# Allegro board arena_12-12_v5.brd
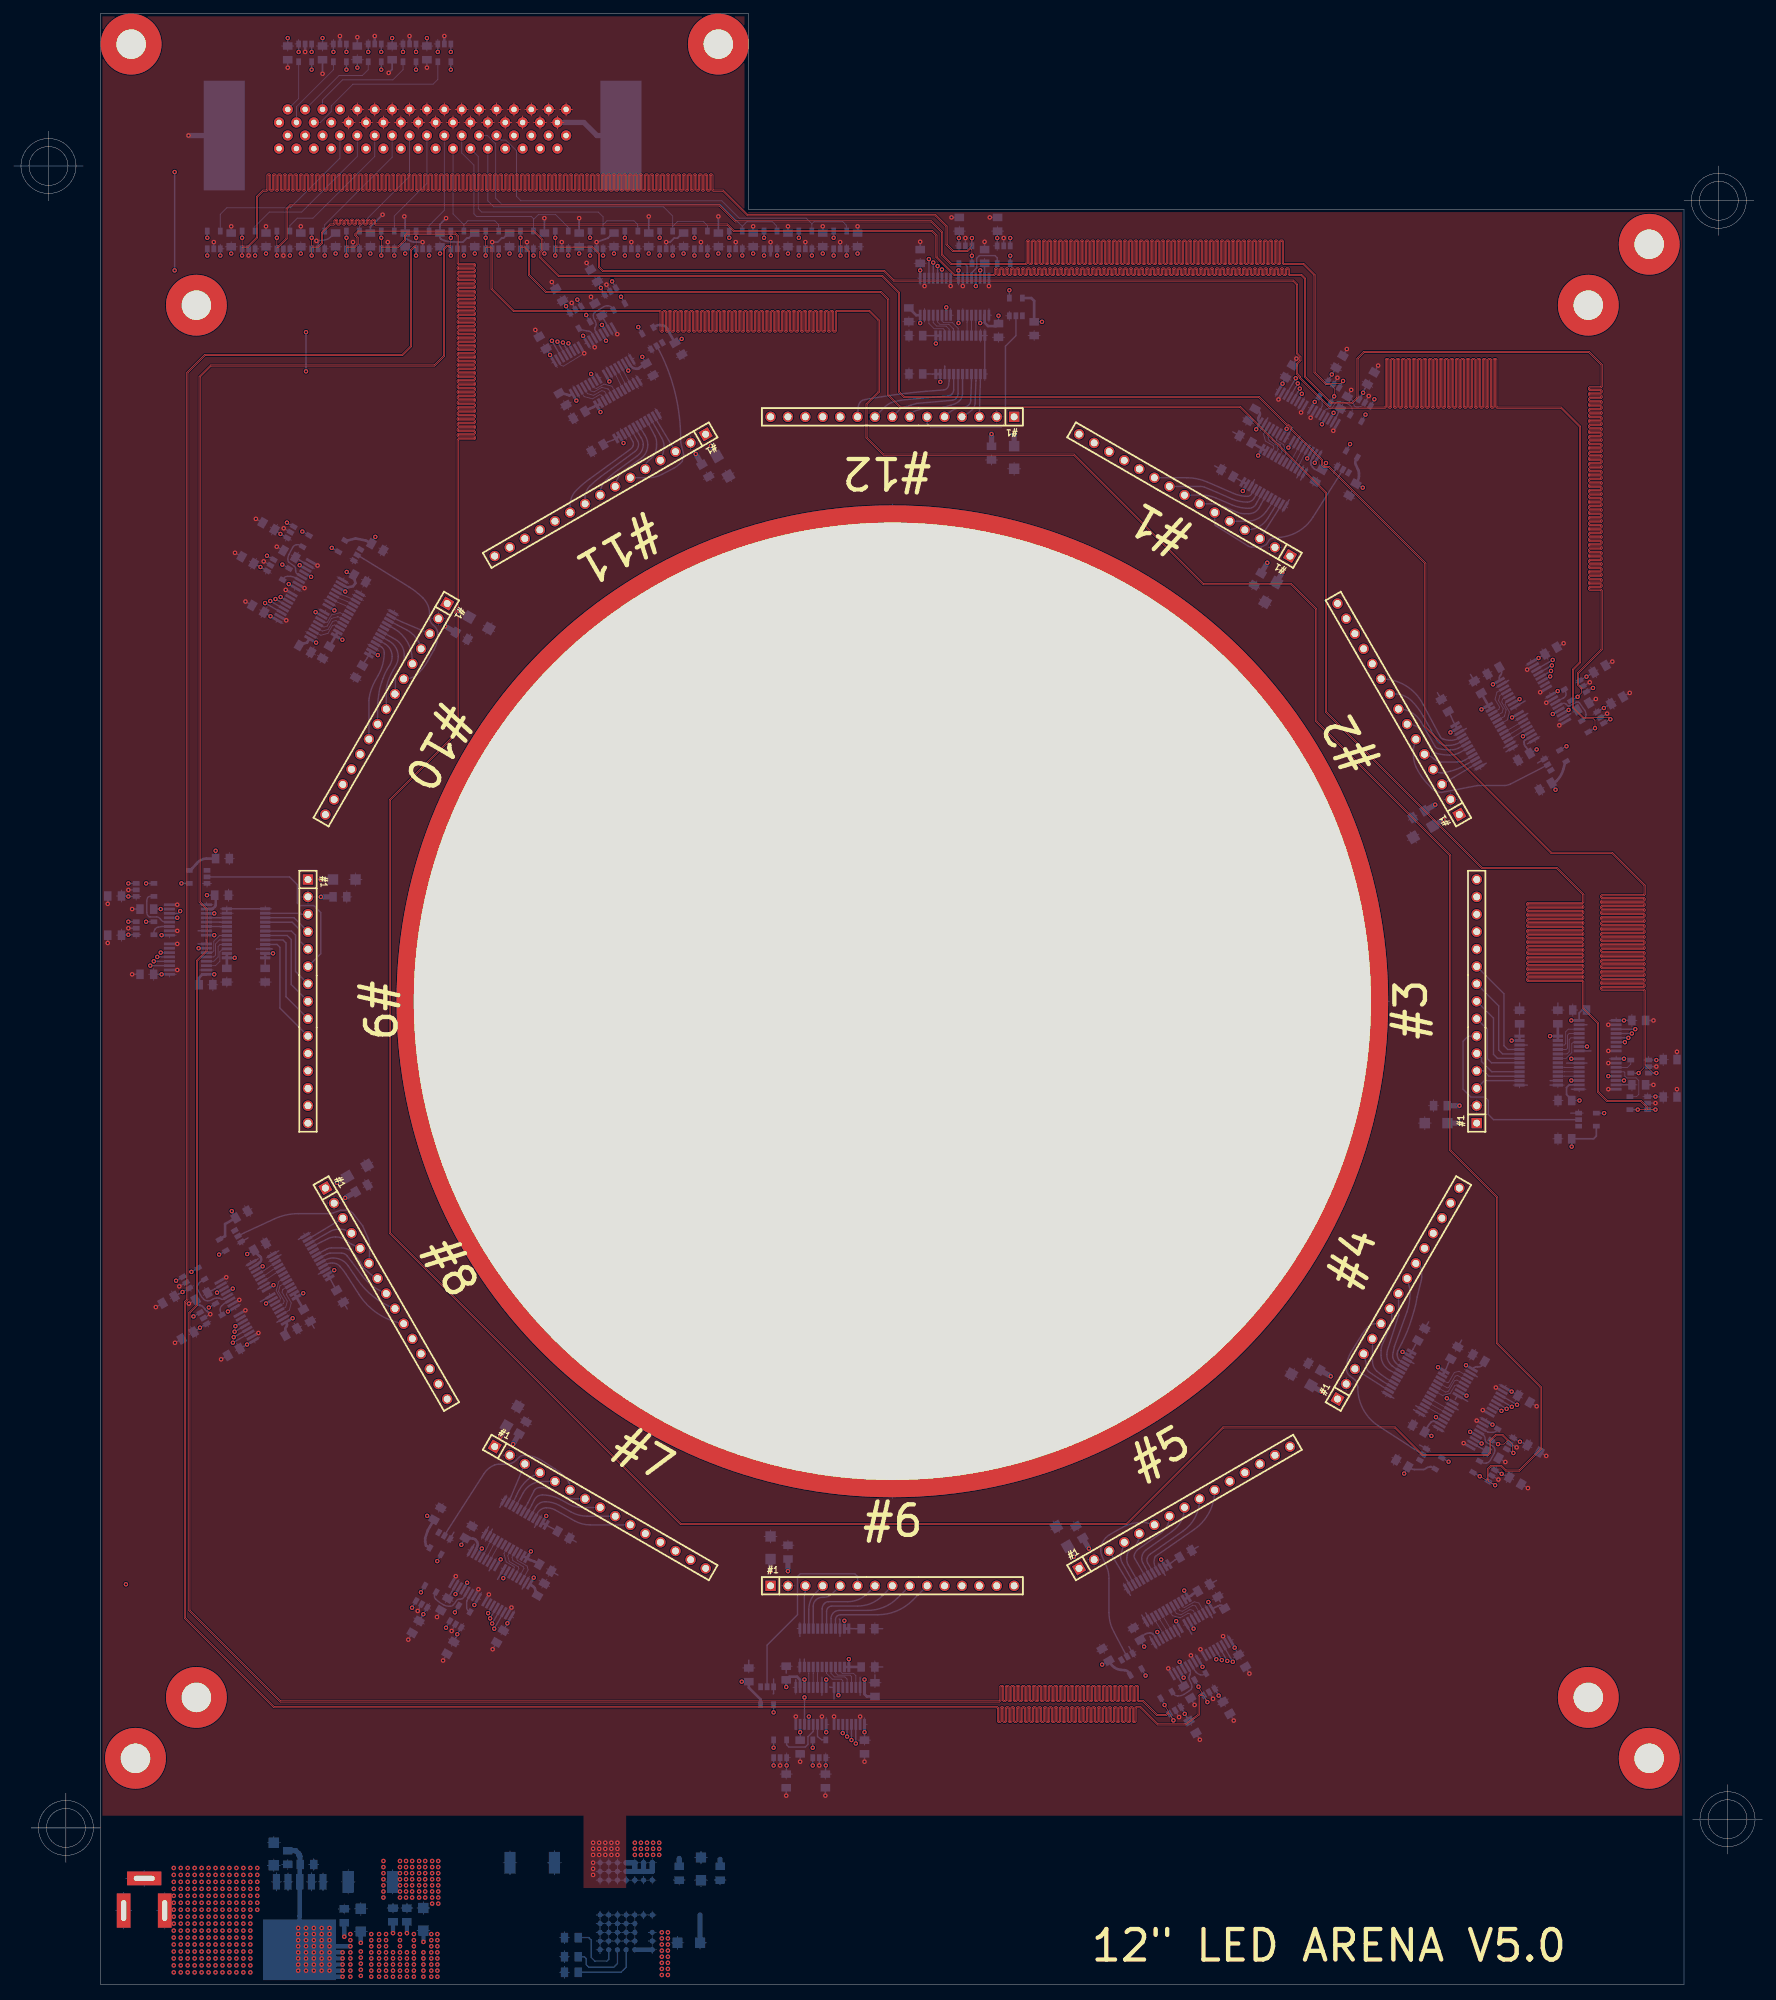
[diagram p0: board, top side]
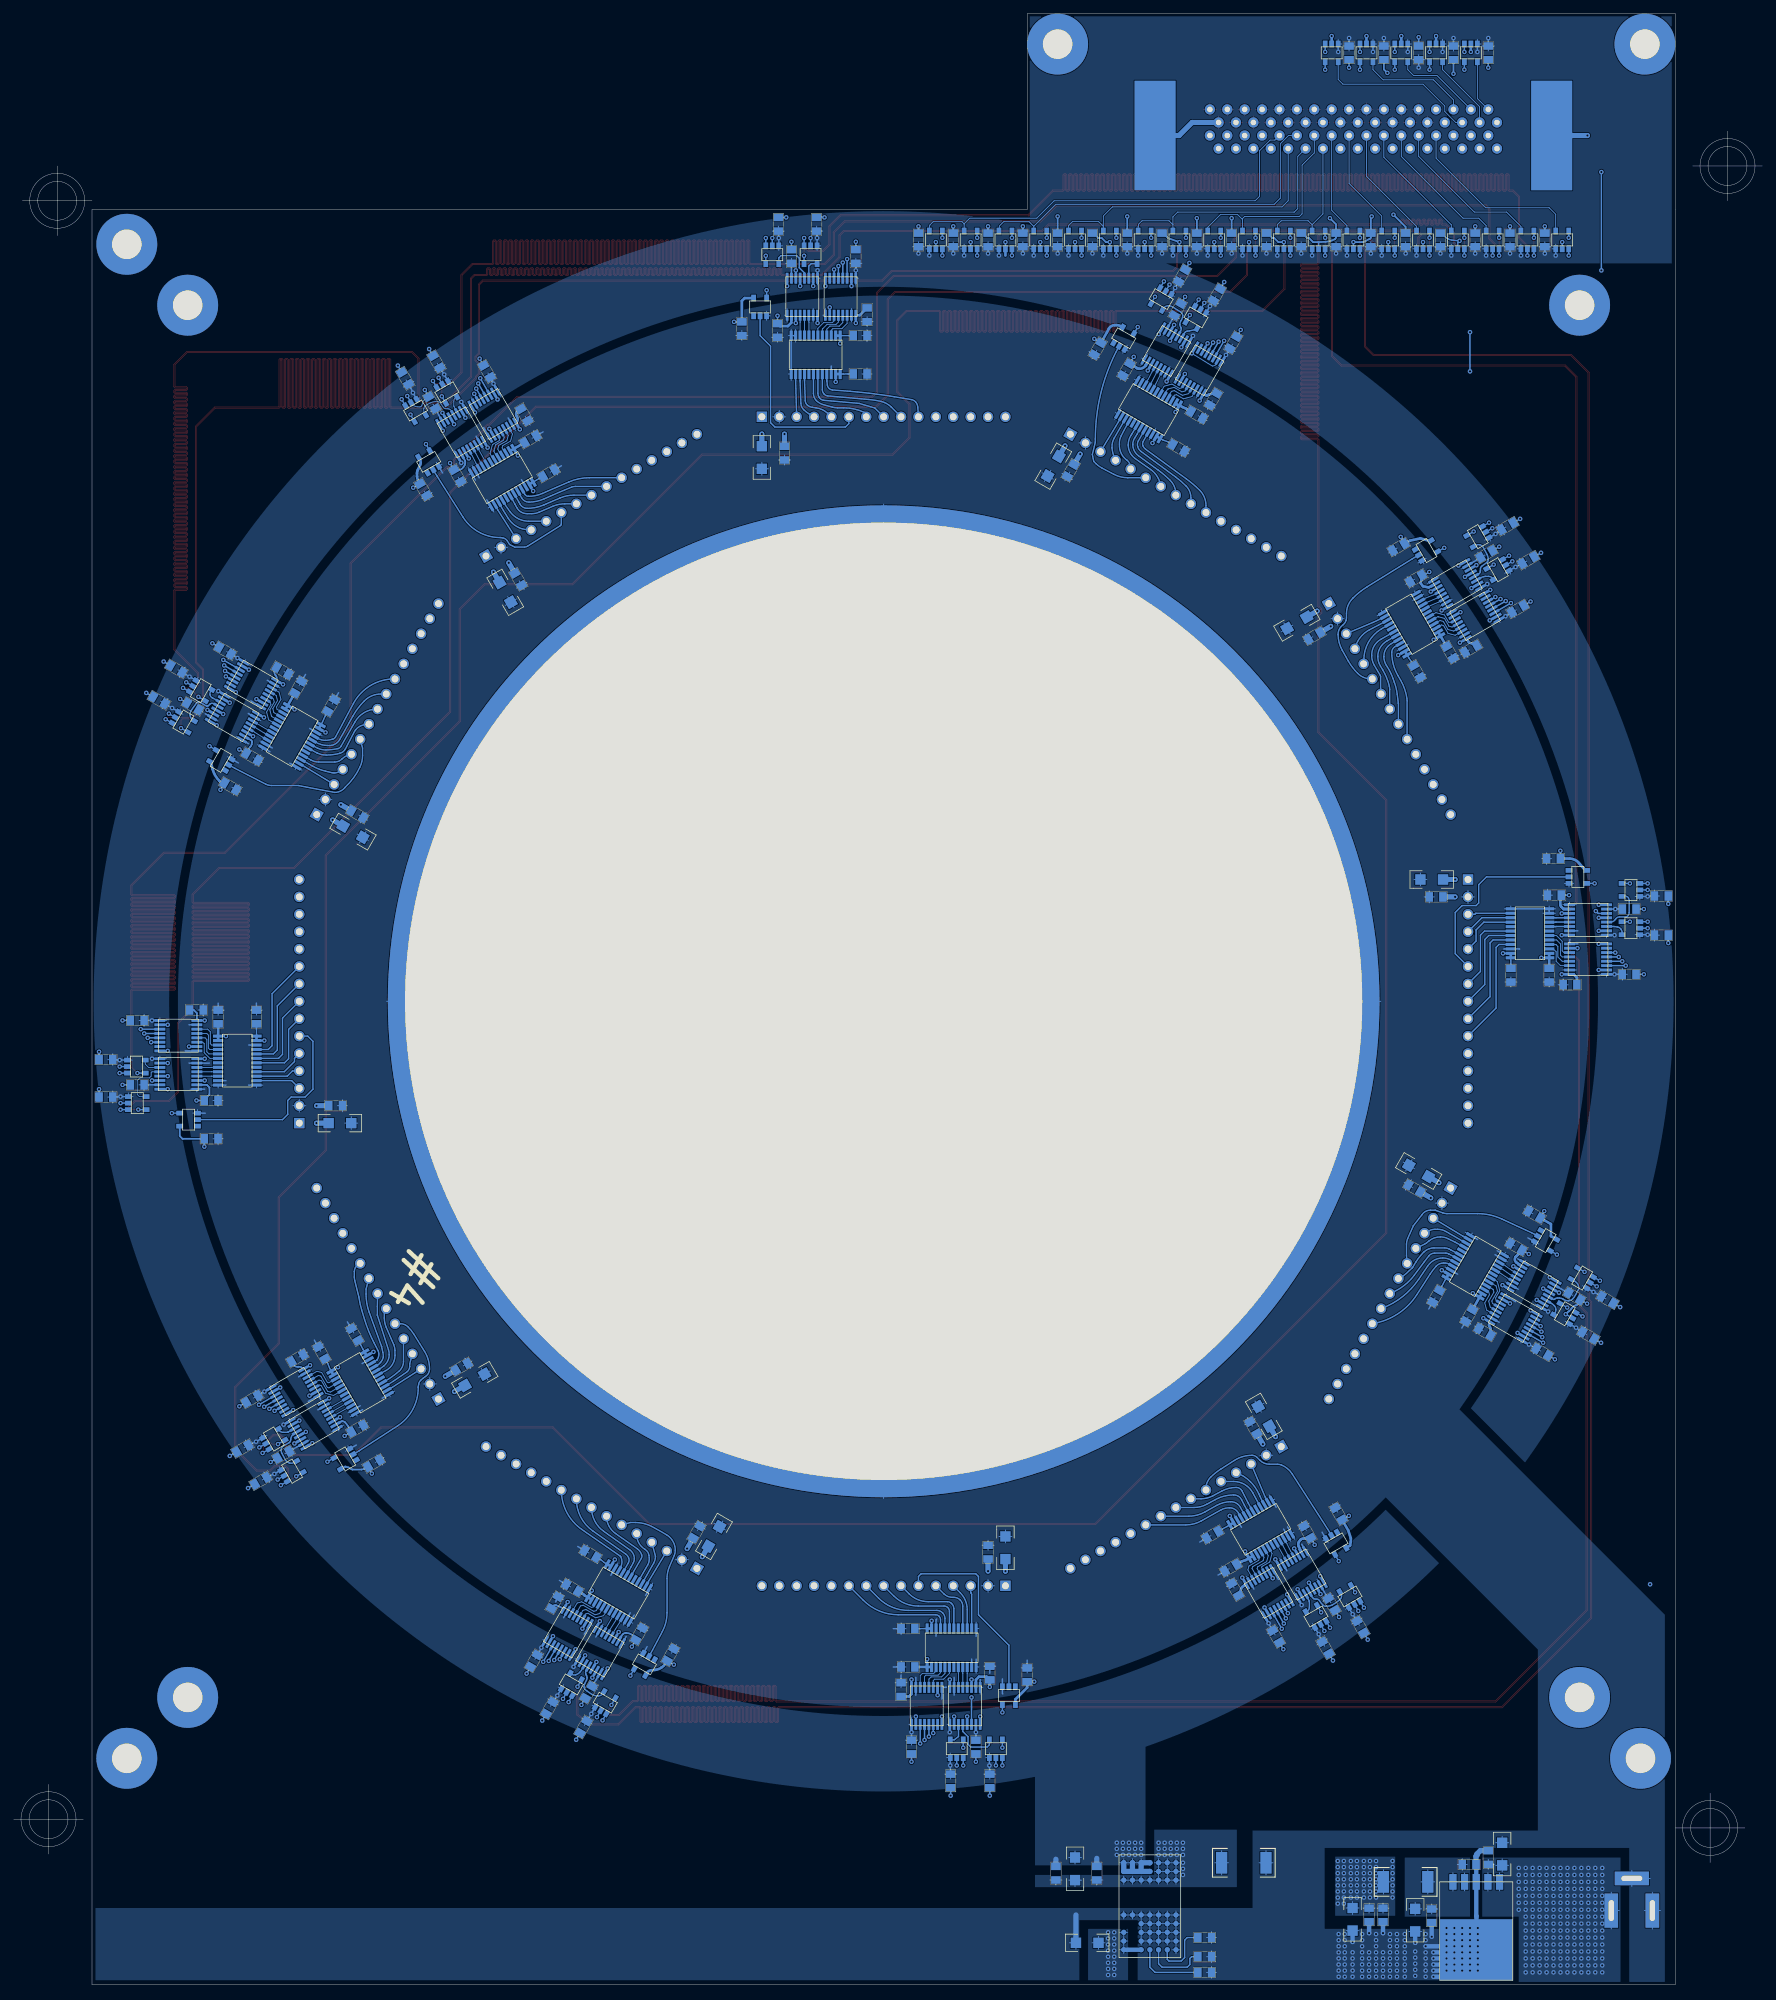
[diagram p1: board, bottom side, seen from below]

Outline 255.27 x 287.65 mm; copper layers: TOP, PWR, LAYER 1, GND2, LAYER 2, BOTTOM. Coordinates in mm from the lower left corner of the outline.
Outline path: circle c5.08,265.43 r2.84 ; circle c5.08,265.43 r4.02 ; circle c7.62,22.86 r2.84 ; circle c7.62,22.86 r4.02 ; circle c128.27,143.51 r69.85 ; circle c248.92,260.35 r2.84 ; circle c248.92,260.35 r4.02 ; circle c250.19,24.13 r2.84 ; circle c250.19,24.13 r4.02 ; 0,265.43 10.16,265.43 ; 2.54,22.86 12.7,22.86 ; 5.08,270.51 5.08,260.35 ; 7.62,27.94 7.62,17.78 ; 125.98,143.51 130.56,143.51 ; 128.27,141.22 128.27,145.8 ; 243.84,260.35 254,260.35 ; 245.11,24.13 255.27,24.13 ; 248.92,265.43 248.92,255.27 ; 250.19,29.21 250.19,19.05 ; 12.7,287.65 107.32,287.65 107.32,259.08 243.84,259.08 243.84,0 12.7,0 12.7,287.65

## Design rules (mm)
constraint set DEFAULT: min track width 0.127, pair gap 0.089
net group SPI: nets M0_N M0_P M1_N M1_P M2_N M2_P M3_N M3_P M4_N M4_P M5_N M5_P M6_N M6_P M7_N M7_P M8_N M8_P M9_N M9_P M10_N M10_P M11_N M11_P S0_N S0_P S1_N S1_P S2_N S2_P S3_N S3_P S4_N S4_P S5_N S5_P S6_N S6_P S7_N S7_P S8_N S8_P S9_N S9_P S10_N S10_P S11_N S11_P

## Placement (name value [footprint] x y rotation side)
C1  10uF  [1206]  103.51 221.62 300 bottom
C6  0.1uF  [EIA0805]  100.97 220.98 300 bottom
C39  1uF/6.3/Elec  [1206]  98.55 6.1 0 bottom
C42  2.2uF/60/Elec  [1206]  100.33 16.89 270 bottom
C43  0.01uF/X5R  [EIA0805]  103.12 16.26 270 bottom
C44  0.1uF/X5R  [EIA0805]  97.16 16.26 270 bottom
C45  10uF  [1206]  48.26 161.29 0 bottom
C46  0.1uF  [EIA0805]  47.63 158.75 0 bottom
C47  10uF  [1206]  50.17 118.74 30 bottom
C48  0.1uF  [EIA0805]  155.58 66.04 120 bottom
C49  10uF  [1206]  207.65 125.73 180 bottom
C50  0.1uF  [EIA0805]  189.87 90.17 150 bottom
C51  10uF  [1206]  153.04 65.4 120 bottom
C52  0.1uF  [EIA0805]  181.61 205.1 240 bottom
C53  10uF  [1206]  205.74 168.27 210 bottom
C54  0.1uF  [EIA0805]  142.75 223.52 270 bottom
C55  10uF  [1206]  146.05 222.88 270 bottom
C56  0.1uF  [EIA0805]  65.41 196.85 330 bottom
C57  10uF  [1206]  183.52 203.2 240 bottom
C58  0.1uF  [EIA0805]  74.3 81.28 60 bottom
C59  10uF  [1206]  72.77 82.93 60 bottom
C60  0.1uF  [EIA0805]  50.8 116.2 30 bottom
C61  10uF  [1206]  67.95 198.75 330 bottom
C62  0.1uF  [EIA0805]  113.03 63.12 90 bottom
C63  10uF  [1206]  187.96 88.26 150 bottom
C64  0.1uF  [EIA0805]  205.11 170.81 210 bottom
C65  10uF  [1206]  110.49 63.75 90 bottom
C66  0.1uF  [EIA0805]  208.28 128.27 180 bottom
C67  0.1uF  [EIA0805]  70.99 50.8 240 bottom
C68  0.1uF  [EIA0805]  180.72 229.11 240 bottom
C69  0.1uF  [EIA0805]  220.47 85.47 330 bottom
C70  0.1uF  [EIA0805]  226.44 129.03 180 bottom
C71  0.1uF  [EIA0805]  186.18 235.46 60 bottom
C72  0.1uF  [EIA0805]  50.55 205.23 330 bottom
C73  0.1uF  [EIA0805]  62.87 55.5 240 bottom
C74  0.1uF  [EIA0805]  130.68 243.71 270 bottom
C75  0.1uF  [EIA0805]  32.13 92.33 210 bottom
C76  0.1uF  [EIA0805]  35.94 107.7 30 bottom
C77  0.1uF  [EIA0805]  237.24 140.72 0 bottom
C78  0.1uF  [EIA0805]  40.51 95.25 30 bottom
C79  0.1uF  [EIA0805]  114.81 34.67 270 bottom
C80  0.1uF  [EIA0805]  66.42 66.04 60 bottom
C81  0.1uF  [EIA0805]  171.32 42.67 300 bottom
C82  0.1uF  [EIA0805]  42.55 194.94 330 bottom
C83  0.1uF  [EIA0805]  85.34 244.47 120 bottom
C84  0.1uF  [EIA0805]  205.11 81.15 150 bottom
C85  0.1uF  [EIA0805]  19.43 156.97 180 bottom
C86  0.1uF  [EIA0805]  228.6 142.24 180 bottom
C87  0.1uF  [EIA0805]  35.69 200.79 150 bottom
C88  0.1uF  [EIA0805]  80.14 231.39 300 bottom
C89  0.1uF  [EIA0805]  124.21 34.67 270 bottom
C90  0.1uF  [EIA0805]  143.76 241.43 270 bottom
C91  0.1uF  [EIA0805]  215.9 77.34 330 bottom
C92  0.1uF  [EIA0805]  92.84 235.71 300 bottom
C93  0.1uF  [EIA0805]  27.43 100.46 210 bottom
C94  0.1uF  [EIA0805]  28.07 145.92 0 bottom
C95  0.1uF  [EIA0805]  237.24 131.32 0 bottom
C96  0.1uF  [EIA0805]  30.35 159 0 bottom
C97  0.1uF  [EIA0805]  229.11 186.56 30 bottom
C98  0.1uF  [EIA0805]  125.73 43.05 90 bottom
C99  0.1uF  [EIA0805]  179.32 47.24 300 bottom
C100  0.1uF  [EIA0805]  190.5 220.22 240 bottom
C101  0.1uF  [EIA0805]  77.22 239.65 120 bottom
C102  0.1uF  [EIA0805]  220.47 179.2 210 bottom
C103  0.1uF  [EIA0805]  40.26 208.79 150 bottom
C104  0.1uF  [EIA0805]  216.03 191.77 210 bottom
C105  0.1uF  [EIA0805]  19.43 147.45 180 bottom
C106  0.1uF  [EIA0805]  213.87 91.44 150 bottom
C107  0.1uF  [EIA0805]  194.18 230.89 60 bottom
C108  0.1uF  [EIA0805]  176.28 55.75 120 bottom
C109  0.1uF  [EIA0805]  141.73 252.22 90 bottom
C110  0.1uF  [EIA0805]  163.96 51.18 120 bottom
C111  0.1uF  [EIA0805]  132.33 252.22 90 bottom
C112  0.1uF  [EIA0805]  76.96 57.66 60 bottom
C113  0.1uF  [EIA0805]  224.41 194.69 30 bottom
C114  0.1uF  [EIA0805]  112.78 45.47 90 bottom
C115  0.1uF  [EIA0805]  223.65 174.88 210 bottom
C116  0.1uF  [EIA0805]  195.45 218.19 240 bottom
C117  0.1uF  [EIA0805]  148.97 241.68 270 bottom
C118  0.1uF  [EIA0805]  61.85 68.71 60 bottom
C119  0.1uF  [EIA0805]  97.03 238.76 300 bottom
C120  0.1uF  [EIA0805]  33.27 112.39 30 bottom
C121  0.1uF  [EIA0805]  30.48 164.34 0 bottom
C122  0.1uF  [EIA0805]  53.09 209.8 330 bottom
C123  0.1uF  [EIA0805]  226.44 123.44 180 bottom
C124  0.1uF  [EIA0805]  107.32 45.21 90 bottom
C125  0.1uF  [EIA0805]  202.69 76.07 150 bottom
C126  0.1uF  [EIA0805]  159.39 48.13 120 bottom
C127  0.1uF  [EIA0805]  225.43 141.22 90 bottom
C128  0.1uF  [EIA0805]  80.26 65.66 330 bottom
C129  0.1uF  [EIA0805]  42.8 97.66 300 bottom
C130  0.1uF  [EIA0805]  124.71 51.94 0 bottom
C131  0.1uF  [EIA0805]  173.74 57.91 30 bottom
C132  0.1uF  [EIA0805]  205.49 94.87 60 bottom
C133  0.1uF  [EIA0805]  31.12 147.32 270 bottom
C134  0.1uF  [EIA0805]  47.63 100.46 300 bottom
C135  0.1uF  [EIA0805]  45.59 194.44 240 bottom
C136  0.1uF  [EIA0805]  36.7 147.32 270 bottom
C137  0.1uF  [EIA0805]  213.74 189.36 120 bottom
C138  0.1uF  [EIA0805]  219.84 141.22 90 bottom
C139  0.1uF  [EIA0805]  210.31 92.2 60 bottom
C140  0.1uF  [EIA0805]  171.07 62.86 30 bottom
C141  0.1uF  [EIA0805]  131.7 240.66 180 bottom
C142  0.1uF  [EIA0805]  85.22 224.28 210 bottom
C143  0.1uF  [EIA0805]  179.83 225.55 150 bottom
C144  0.1uF  [EIA0805]  177.17 220.6 150 bottom
C145  0.1uF  [EIA0805]  82.55 229.11 210 bottom
C146  0.1uF  [EIA0805]  208.92 186.69 120 bottom
C147  0.1uF  [EIA0805]  124.71 46.35 0 bottom
C148  0.1uF  [EIA0805]  50.42 191.64 240 bottom
C149  0.1uF  [EIA0805]  77.6 60.83 330 bottom
C150  0.1uF  [EIA0805]  131.7 235.08 180 bottom
C151  0.1uF  [EIA0805]  50.17 281.94 90 bottom
C152  0.1uF  [EIA0805]  72.39 254.63 90 bottom
C153  0.1uF  [EIA0805]  234.06 187.45 30 bottom
C154  0.1uF  [EIA0805]  58.67 52.2 240 bottom
C155  0.1uF  [EIA0805]  92.71 254.63 90 bottom
C156  0.1uF  [EIA0805]  52.07 254.63 90 bottom
C157  0.1uF  [EIA0805]  193.55 236.85 60 bottom
C158  0.1uF  [EIA0805]  172.09 37.59 300 bottom
C159  0.1uF  [EIA0805]  82.55 254.63 90 bottom
C160  0.1uF  [EIA0805]  55.25 281.94 270 bottom
C161  0.1uF  [EIA0805]  221.87 78.23 330 bottom
C162  0.1uF  [EIA0805]  118.49 29.72 270 bottom
C163  0.1uF  [EIA0805]  40.01 281.94 270 bottom
C164  0.1uF  [EIA0805]  60.33 281.94 270 bottom
C165  0.1uF  [EIA0805]  219.2 73.53 330 bottom
C166  0.1uF  [EIA0805]  143.64 256.92 90 bottom
C167  0.1uF  [EIA0805]  57.15 254.63 90 bottom
C168  0.1uF  [EIA0805]  87.63 254.63 90 bottom
C169  0.1uF  [EIA0805]  37.21 212.85 150 bottom
C170  0.1uF  [EIA0805]  34.16 207.9 150 bottom
C171  0.1uF  [EIA0805]  118.11 254.63 90 bottom
C172  0.1uF  [EIA0805]  45.09 281.94 270 bottom
C173  0.1uF  [EIA0805]  231.52 192.02 30 bottom
C174  0.1uF  [EIA0805]  138.05 256.92 90 bottom
C175  0.1uF  [EIA0805]  62.23 254.63 90 bottom
C176  0.1uF  [EIA0805]  67.31 254.63 90 bottom
C177  0.1uF  [EIA0805]  79.63 246.63 120 bottom
C178  0.1uF  [EIA0805]  84.71 249.43 120 bottom
C179  0.1uF  [EIA0805]  36.83 254.63 90 bottom
C180  0.1uF  [EIA0805]  102.87 254.63 90 bottom
C181  0.1uF  [EIA0805]  241.81 135 0 bottom
C182  0.1uF  [EIA0805]  177.04 40.39 300 bottom
C183  0.1uF  [EIA0805]  31.75 254.63 90 bottom
C184  0.1uF  [EIA0805]  41.91 254.63 90 bottom
C185  0.1uF  [EIA0805]  112.78 29.72 270 bottom
C186  0.1uF  [EIA0805]  63.75 49.15 240 bottom
C187  0.1uF  [EIA0805]  97.79 254.63 90 bottom
C188  0.1uF  [EIA0805]  77.47 254.63 90 bottom
C189  0.1uF  [EIA0805]  241.81 129.54 0 bottom
C190  0.1uF  [EIA0805]  198.12 234.44 60 bottom
C191  0.1uF  [EIA0805]  46.99 254.63 90 bottom
C192  0.1uF  [EIA0805]  113.03 254.63 90 bottom
C193  0.1uF  [EIA0805]  14.73 158.88 180 bottom
C194  0.1uF  [EIA0805]  14.73 153.16 180 bottom
C195  0.1uF  [EIA0805]  107.95 254.63 90 bottom
C196  0.1uF  [EIA0805]  123.19 254.63 90 bottom
C197  0.1uF  [EIA0805]  25.4 94.74 210 bottom
C198  0.1uF  [EIA0805]  22.61 99.95 210 bottom
C203  10uF  [1206]  37.97 19.05 90 bottom
C204  10uF/6.3/Elec  [1206]  50.67 9.4 270 bottom
C205  0.001uF/X5R  [EIA0805]  42.8 17.53 180 bottom
C206  0.1uF/X5R  [EIA0805]  48.26 10.03 270 bottom
C207  2.2uF/60/Elec  [1206]  59.82 9.52 270 bottom
C208  0.01uF/X5R  [EIA0805]  55.37 10.16 270 bottom
C209  0.1uF  [EIA0805]  40.01 18.54 90 bottom
C210  0.1uF/X5R  [EIA0805]  57.4 10.16 270 bottom
C211  1uF  [EIA0805]  81.41 1.78 0 bottom
C212  1uF  [EIA0805]  81.41 4.06 0 bottom
J1  CONN15  [HDR-1X15]  70.22 78.52 330 top
J2  CONN15  [HDR-1X15]  193.26 85.46 60 top
J3  CONN15  [HDR-1X15]  211.04 170.77 120 top
J4  CONN15  [HDR-1X15]  110.49 58.2 0 top
J5  CONN15  [HDR-1X15]  42.96 161.29 270 top
J6  CONN15  [HDR-1X15]  101.01 226.28 210 top
J7  CONN15  [HDR-1X15]  186.32 208.5 150 top
J8  CONN15  [HDR-1X15]  155.53 60.74 30 top
J9  CONN15  [HDR-1X15]  213.58 125.73 90 top
J10  CONN15  [HDR-1X15]  45.5 116.25 300 top
J17  CONN15  [HDR-1X15]  63.28 201.56 240 top
J19  CONN15  [HDR-1X15]  146.05 228.82 180 top
J26  CONN 34x2  [DB68]  80.65 273.69 90 bottom
J27  CP-102A-ND  [PJ102A]  19.05 10.79 270 bottom
L1  Ferrite Bead/5-15Ohm  [EIA2512]  52.07 14.99 0 bottom
L2  Ferrite Bead/5-15Ohm/NP  [EIA2512]  75.69 17.78 180 bottom
M1  TEST POINT  [8-32]  238.76 33.02 0 top
M2  TEST POINT  [8-32]  17.78 33.02 0 top
M3  TEST POINT  [8-32]  229.87 41.91 0 top
M4  TEST POINT  [8-32]  26.67 41.91 0 top
M5  TEST POINT  [8-32]  229.87 245.11 0 top
M6  TEST POINT  [8-32]  26.67 245.11 0 top
M7  TEST POINT  [8-32]  17.15 283.21 0 top
M8  TEST POINT  [8-32]  238.76 254 0 top
M9  TEST POINT  [1-32]  128.27 143.51 90 top
M10  TEST POINT  [8-32]  102.87 283.21 90 top
NOREF  -  []  107.32 259.08 90 top
NOREF#2  -  []  12.7 287.65 0 top
NOREF#3  -  []  12.7 287.65 0 top
NOREF#4  -  []  243.84 0 90 top
NOREF#5  -  []  149.56 210.04 0 top
R63  27  [EIA0805]  81.41 6.86 0 bottom
U1  ISO7740  [SOP16]  124.21 37.97 90 bottom
U2  ISO7740  [SOP16]  72.64 53.72 60 bottom
U3  ISO7740  [SOP16]  35.05 93.98 30 bottom
U4  ISO7740  [SOP16]  22.73 147.45 0 bottom
U5  ISO7740  [SOP16]  38.48 199.14 330 bottom
U6  ISO7740  [SOP16]  78.87 236.85 300 bottom
U7  ISO7740  [SOP16]  132.33 249.05 270 bottom
U8  ISO7740  [SOP16]  184.66 232.66 240 bottom
U9  ISO7740  [SOP16]  221.62 193.04 210 bottom
U10  ISO7740  [SOP16]  233.93 140.72 180 bottom
U11  ISO7740  [SOP16]  217.68 87.12 150 bottom
U12  ISO7740  [SOP16]  177.67 50.16 120 bottom
U13  ISO7741/ssop16  [SOP16]  118.62 37.97 90 bottom
U14  ISO7741  [SOP16]  67.82 56.39 60 bottom
U15  ISO7741  [SOP16]  32.26 98.81 30 bottom
U16  ISO7741  [SOP16]  22.73 153.16 0 bottom
U17  ISO7741  [SOP16]  41.15 203.83 330 bottom
U18  ISO7741  [SOP16]  83.69 239.65 300 bottom
U19  ISO7741  [SOP16]  137.92 249.05 270 bottom
U20  ISO7741  [SOP16]  189.36 230 240 bottom
U21  ISO7741  [SOP16]  224.41 188.21 210 bottom
U22  ISO7741  [SOP16]  233.93 135.13 180 bottom
U23  ISO7741  [SOP16]  214.88 82.3 150 bottom
U24  ISO7741  [SOP16]  172.97 47.37 120 bottom
U25  SN74LV1T34/SOT23  [SOT23-5]  109.98 42.16 270 bottom
U26  SN74LV1T34/SOT23  [SOT23-5]  62.23 64.39 240 bottom
U27  SN74LV1T34/SOT23  [SOT23-5]  31.62 108.58 210 bottom
U28  SN74LV1T34/SOT23  [SOT23-5]  26.92 161.67 180 bottom
U29  SN74LV1T34/SOT23  [SOT23-5]  49.02 209.3 150 bottom
U30  SN74LV1T34/SOT23  [SOT23-5]  93.22 240.28 120 bottom
U31  SN74LV1T34/SOT23  [SOT23-5]  146.3 244.86 90 bottom
U32  SN74LV1T34/SOT23  [SOT23-5]  194.69 222.25 60 bottom
U33  SN74LV1T34/SOT23  [SOT23-5]  225.04 178.69 30 bottom
U34  SN74LV1T34/SOT23  [SOT23-5]  229.74 126.24 0 bottom
U35  SN74LV1T34/SOT23  [SOT23-5]  206.88 76.71 330 bottom
U36  SN74LV1T34/SOT23  [SOT23-5]  163.19 46.74 300 bottom
U37  SN74LVC8T245  [TSSOP24]  121.92 46.35 90 bottom
U38  SN74LVC8T245  [TSSOP24]  74.93 62.23 60 bottom
U39  SN74LVC8T245  [TSSOP24]  41.28 100.33 30 bottom
U40  SN74LVC8T245  [TSSOP24]  31.12 149.86 0 bottom
U41  SN74LVC8T245  [TSSOP24]  46.99 196.85 330 bottom
U42  SN74LVC8T245  [TSSOP24]  85.09 230.5 300 bottom
U43  SN74LVC8T245  [TSSOP24]  134.62 240.66 270 bottom
U44  SN74LVC8T245  [TSSOP24]  182.25 224.15 240 bottom
U45  SN74LVC8T245  [TSSOP24]  215.27 186.69 210 bottom
U46  SN74LVC8T245  [TSSOP24]  225.43 138.43 180 bottom
U47  SN74LVC8T245  [TSSOP24]  208.92 89.53 150 bottom
U48  SN74LVC8T245  [TSSOP24]  171.45 56.51 120 bottom
U49  SN65LVDS1  [SOT23-5]  115.57 254.63 90 bottom
U50  SN65LVDS2  [SOT23-5]  111.89 34.42 90 bottom
U51  SN65LVDS1  [SOT23-5]  120.65 254.63 90 bottom
U52  SN65LVDS2  [SOT23-5]  60.2 56.64 60 bottom
U53  SN65LVDS1  [SOT23-5]  95.25 254.63 90 bottom
U54  SN65LVDS2  [SOT23-5]  26.29 103.12 30 bottom
U55  SN65LVDS1  [SOT23-5]  100.33 254.63 90 bottom
U56  SN65LVDS2  [SOT23-5]  19.18 159.77 0 bottom
U57  SN65LVDS1  [SOT23-5]  110.49 254.63 90 bottom
U58  SN65LVDS2  [SOT23-5]  41.53 211.33 330 bottom
U59  SN65LVDS1  [SOT23-5]  105.41 254.63 90 bottom
U60  SN65LVDS2  [SOT23-5]  87.76 246 300 bottom
U61  SN65LVDS1  [SOT23-5]  85.09 254.63 90 bottom
U62  SN65LVDS2  [SOT23-5]  144.53 252.48 270 bottom